# Altium PCB APP_EMILE.PcbDoc (part 1 of 6) (continued)
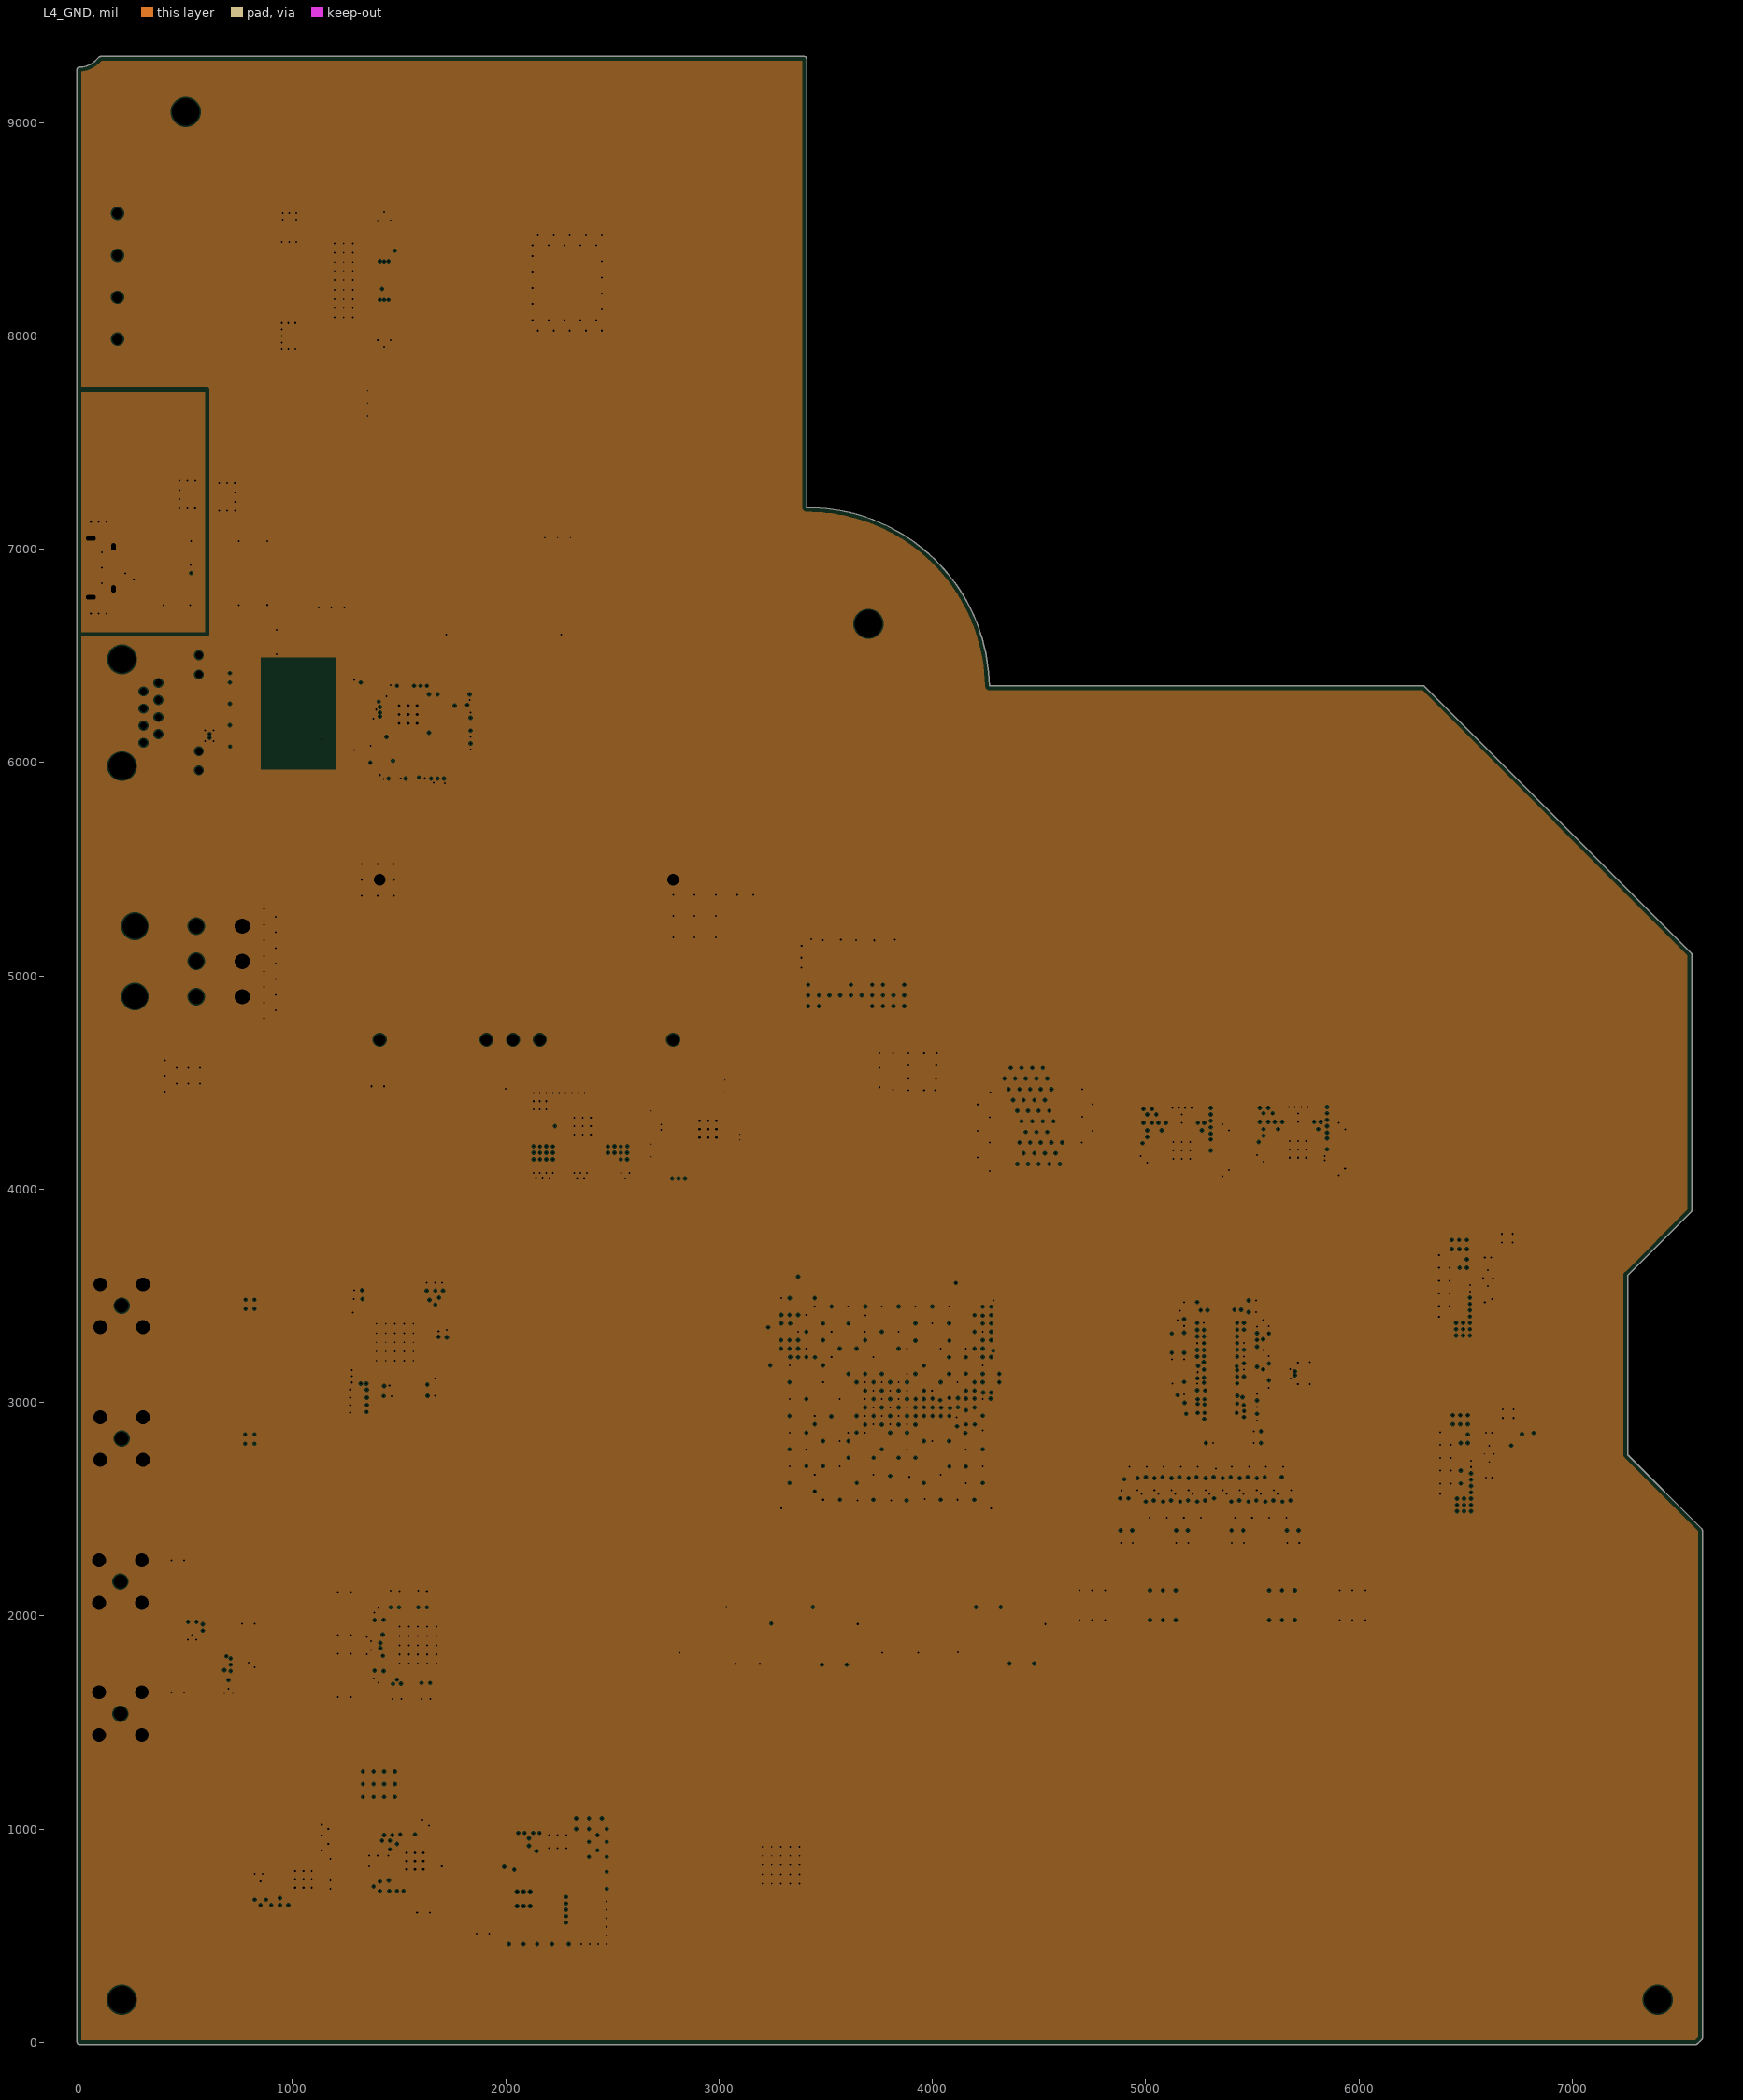
[diagram p4: L4_GND, clearances drawn from the general rule]
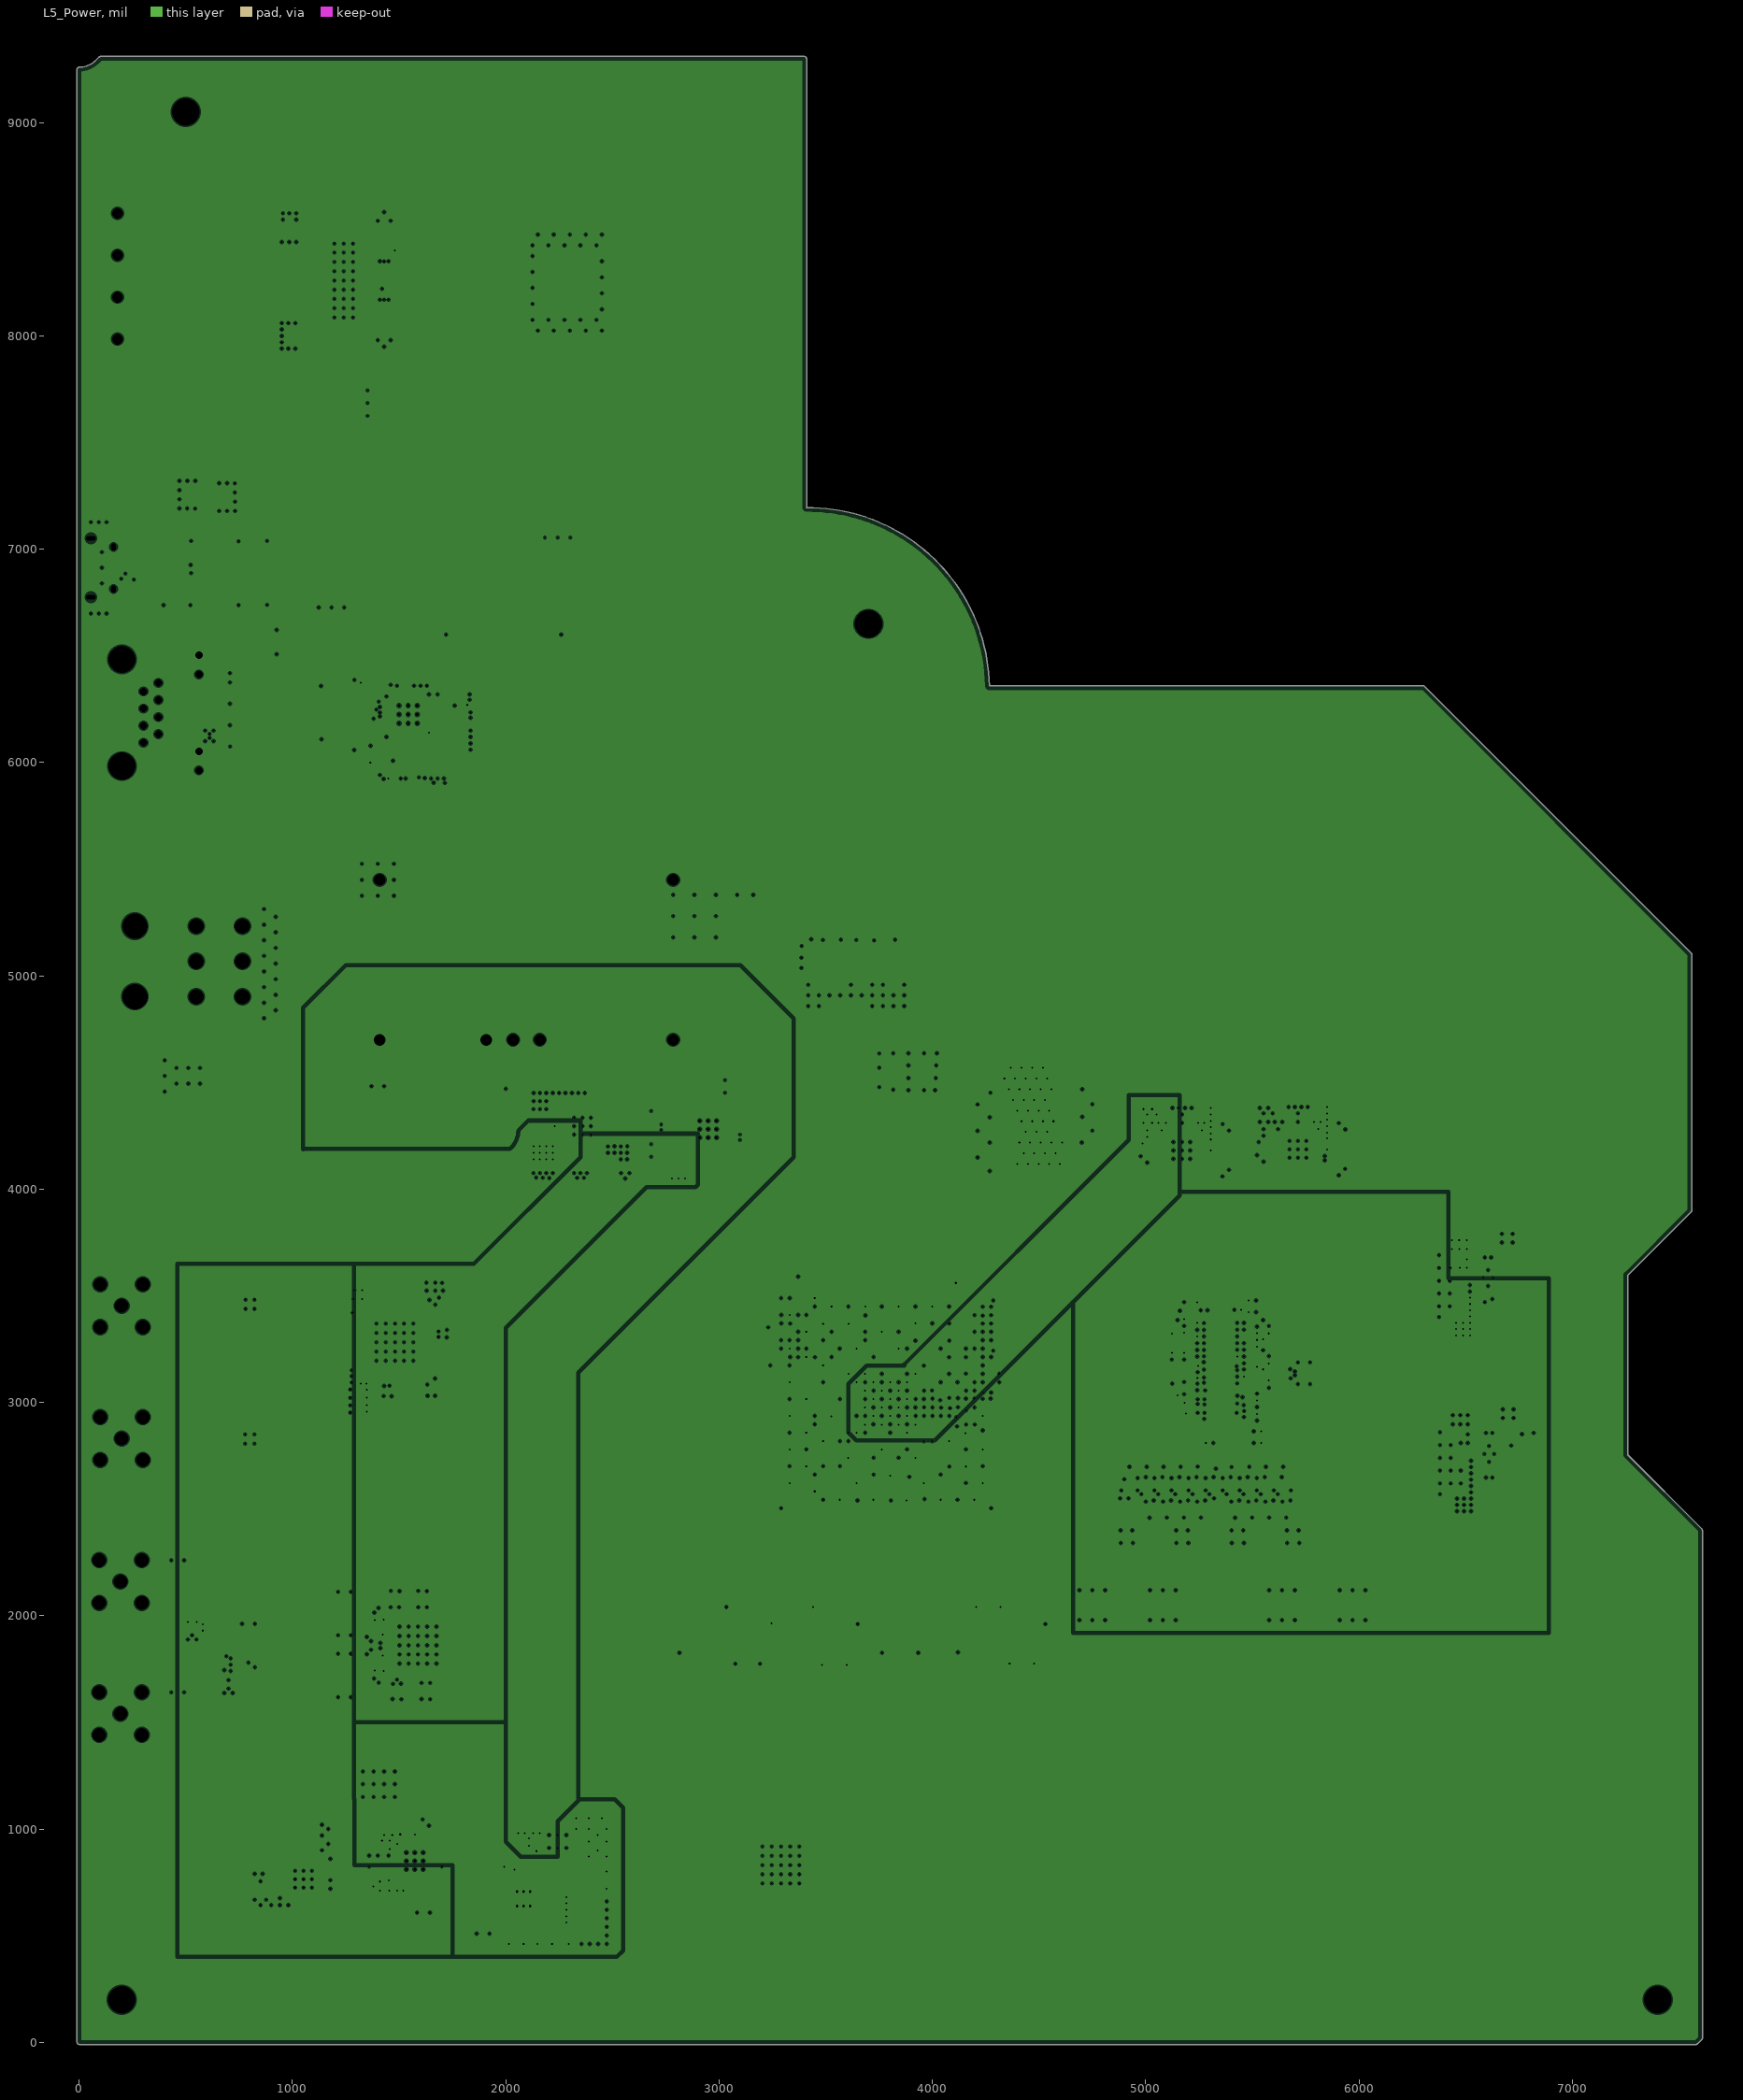
[diagram p5: L5_Power, clearances drawn from the general rule]
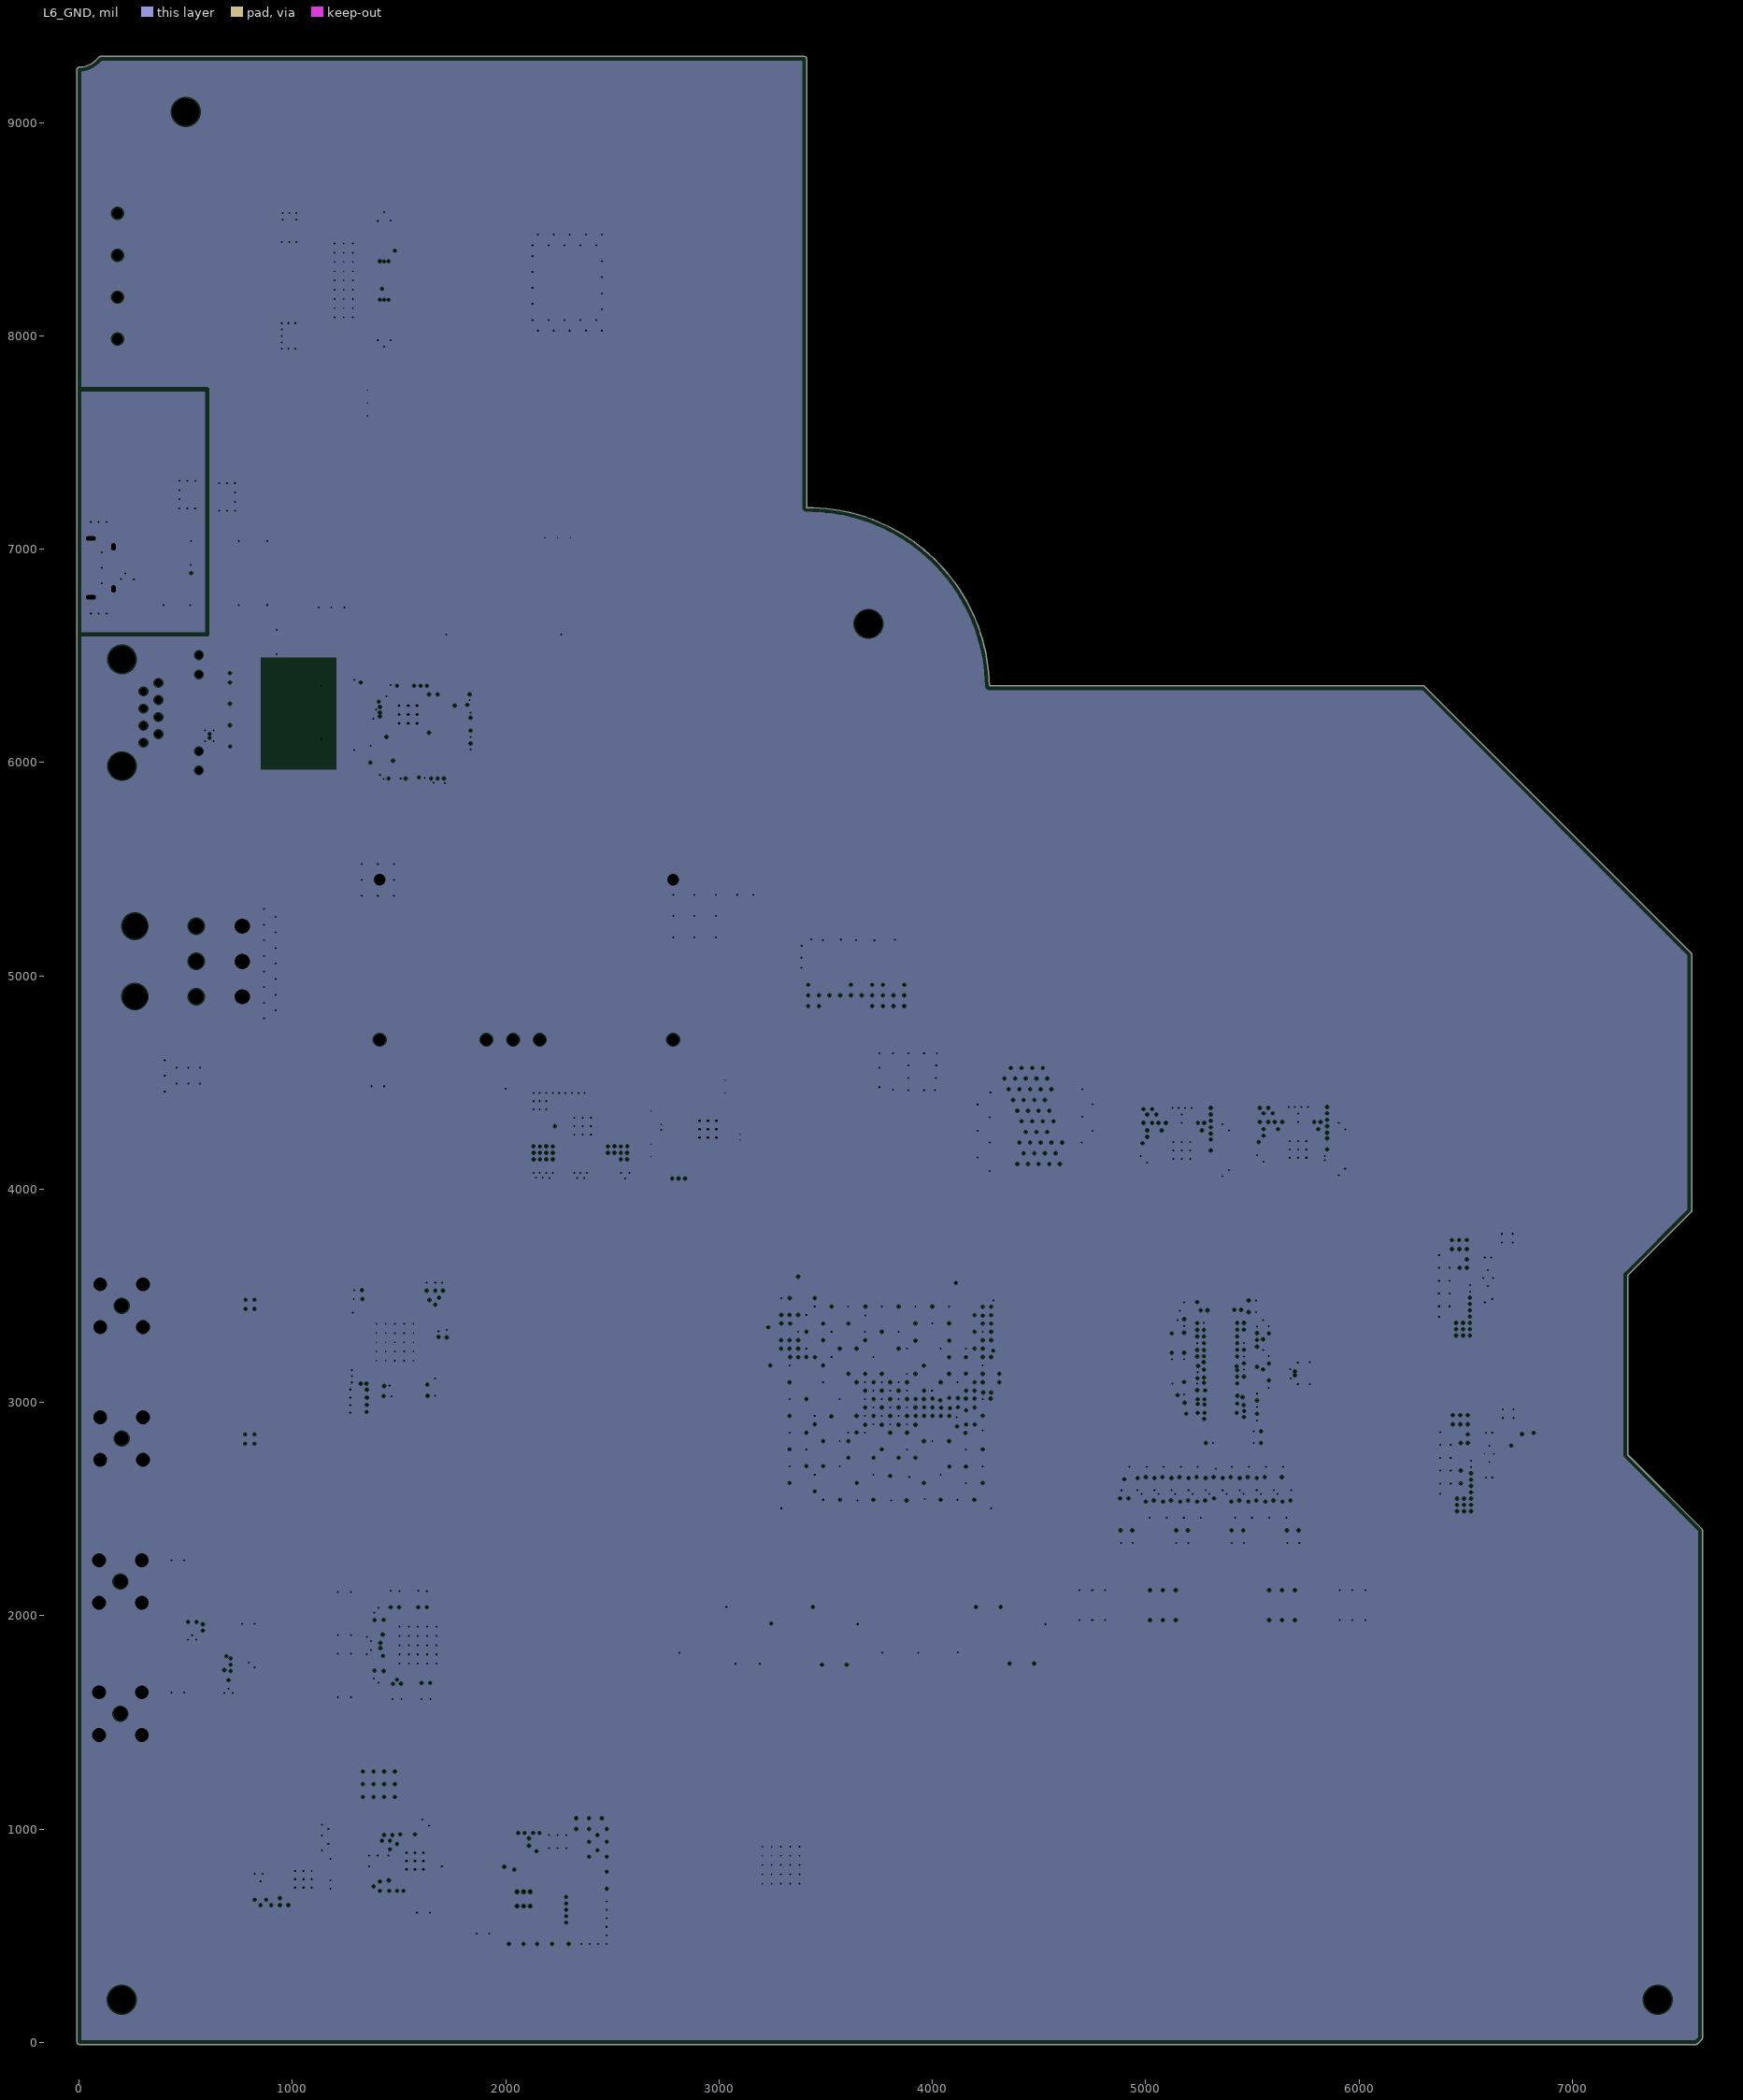
[diagram p6: L6_GND, clearances drawn from the general rule]
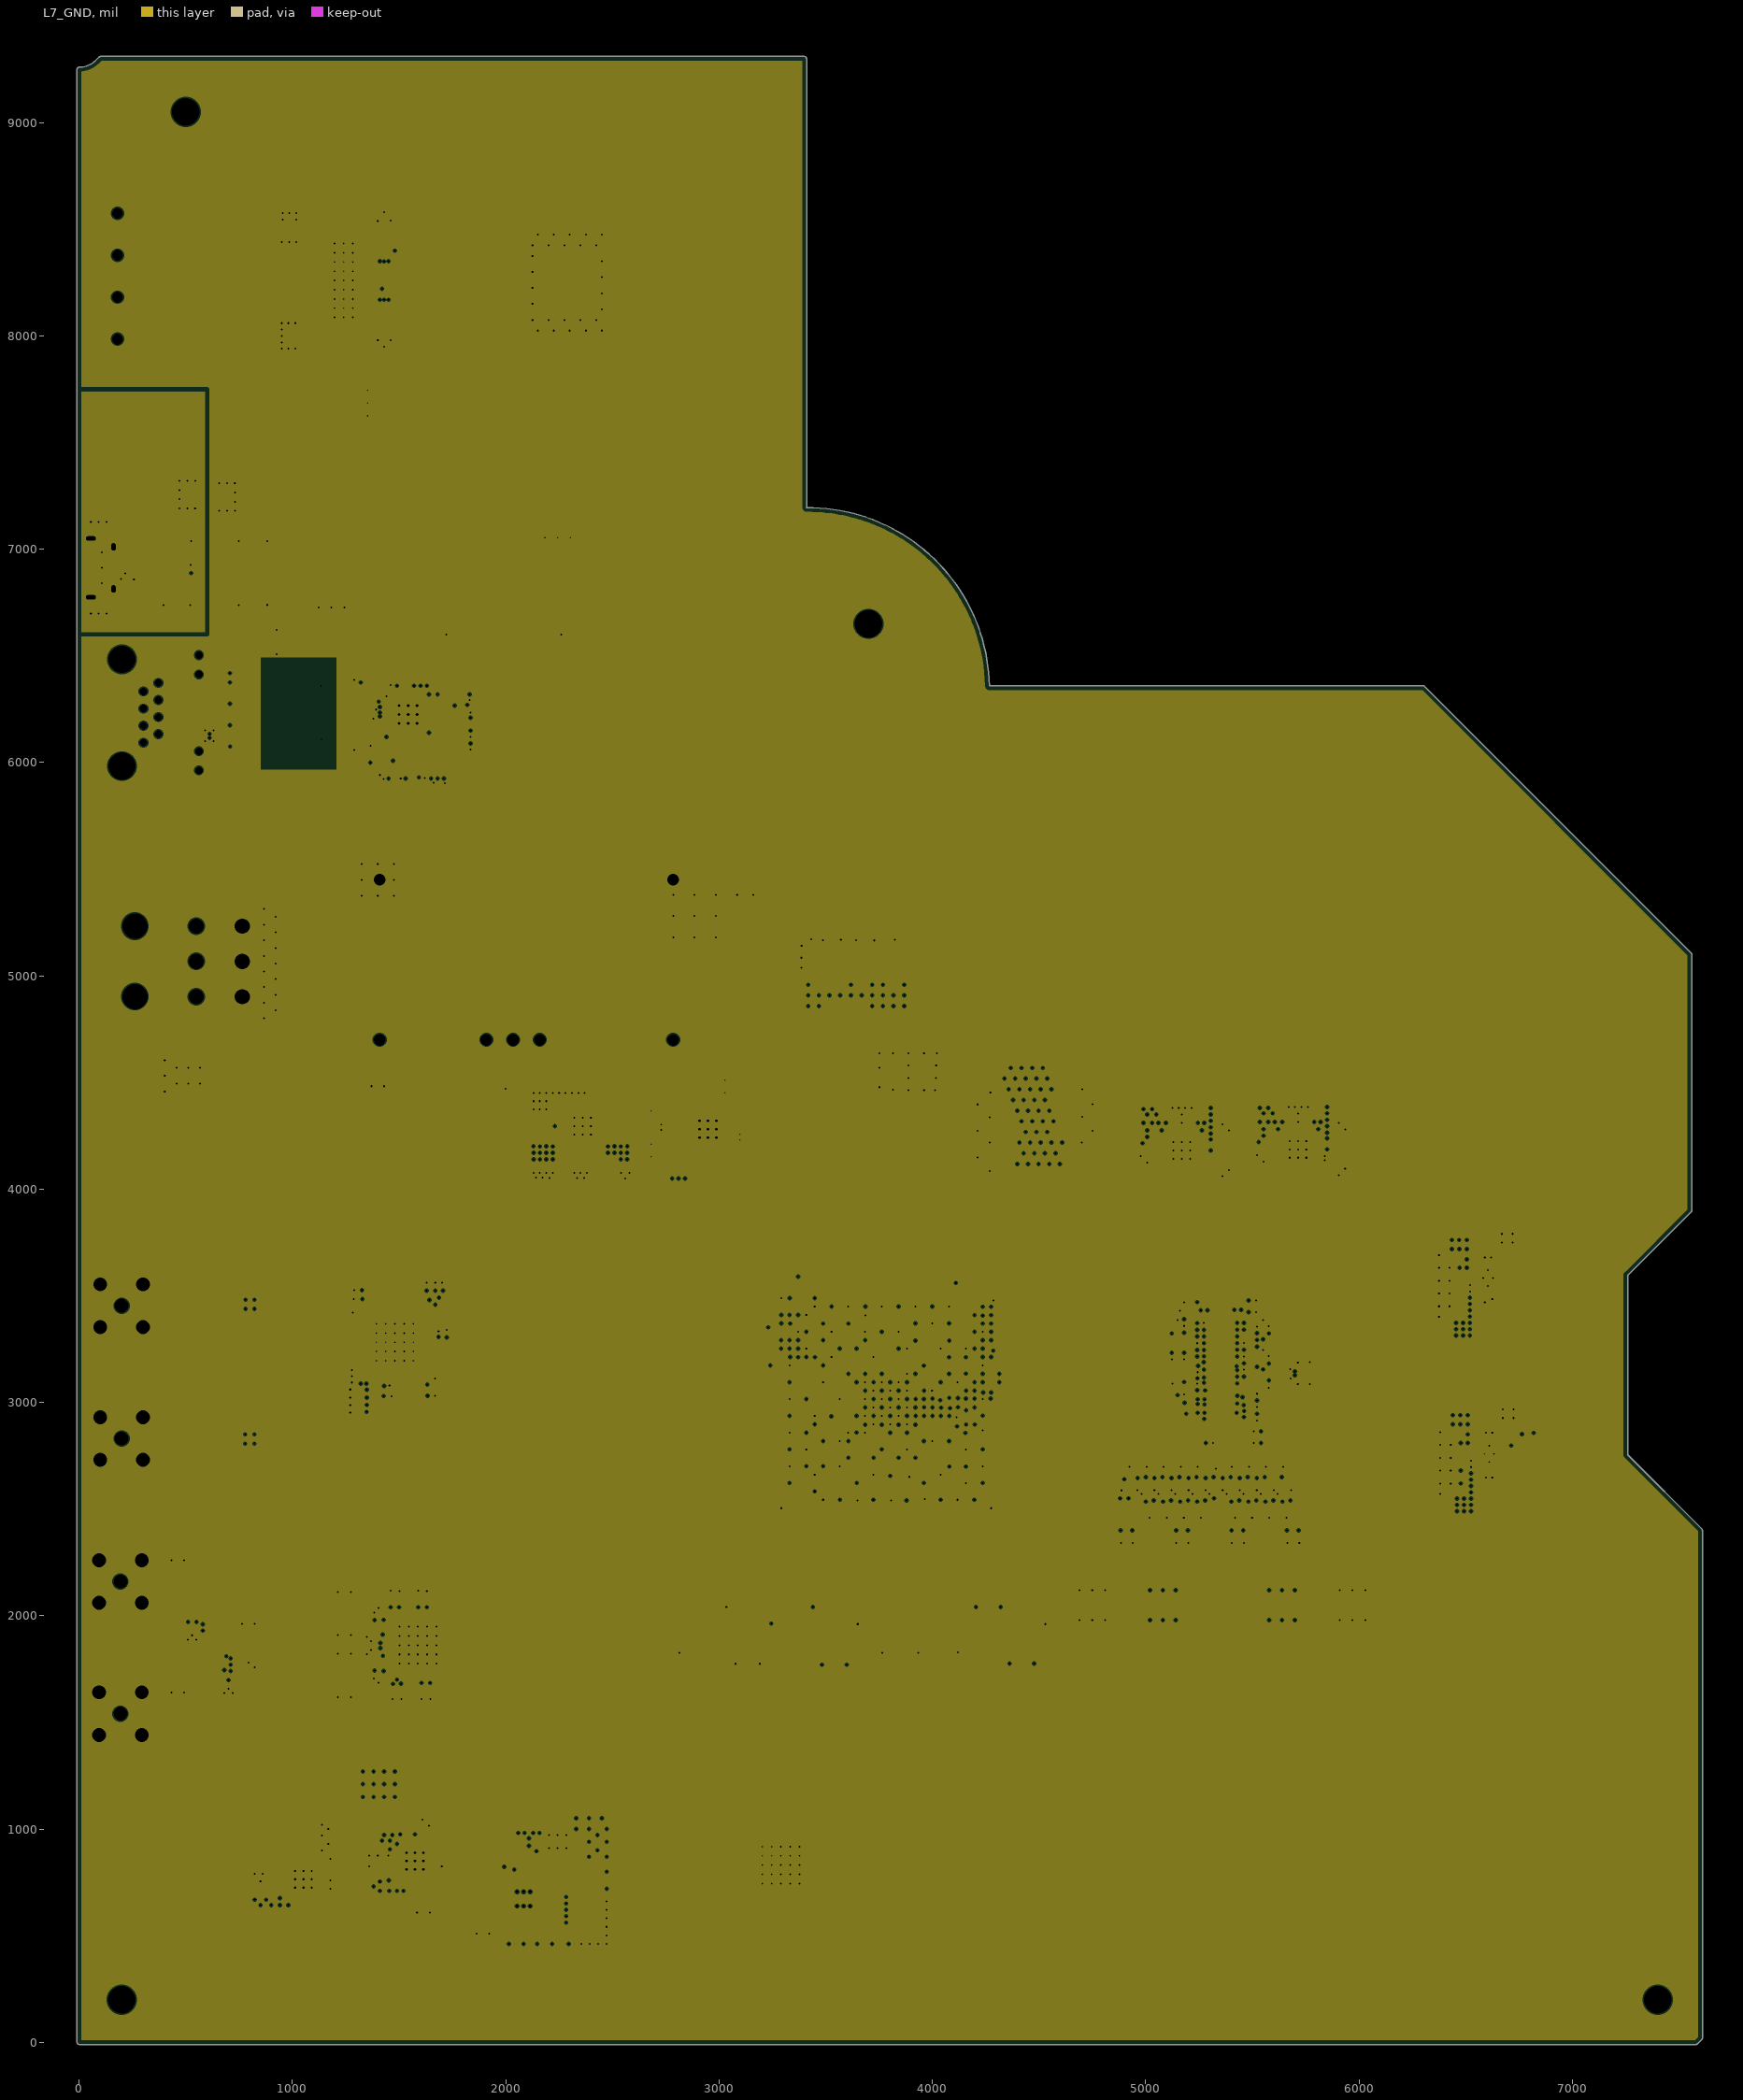
[diagram p7: L7_GND, clearances drawn from the general rule]